# Allegro board 6089-119-RevA_41.brd (continued)
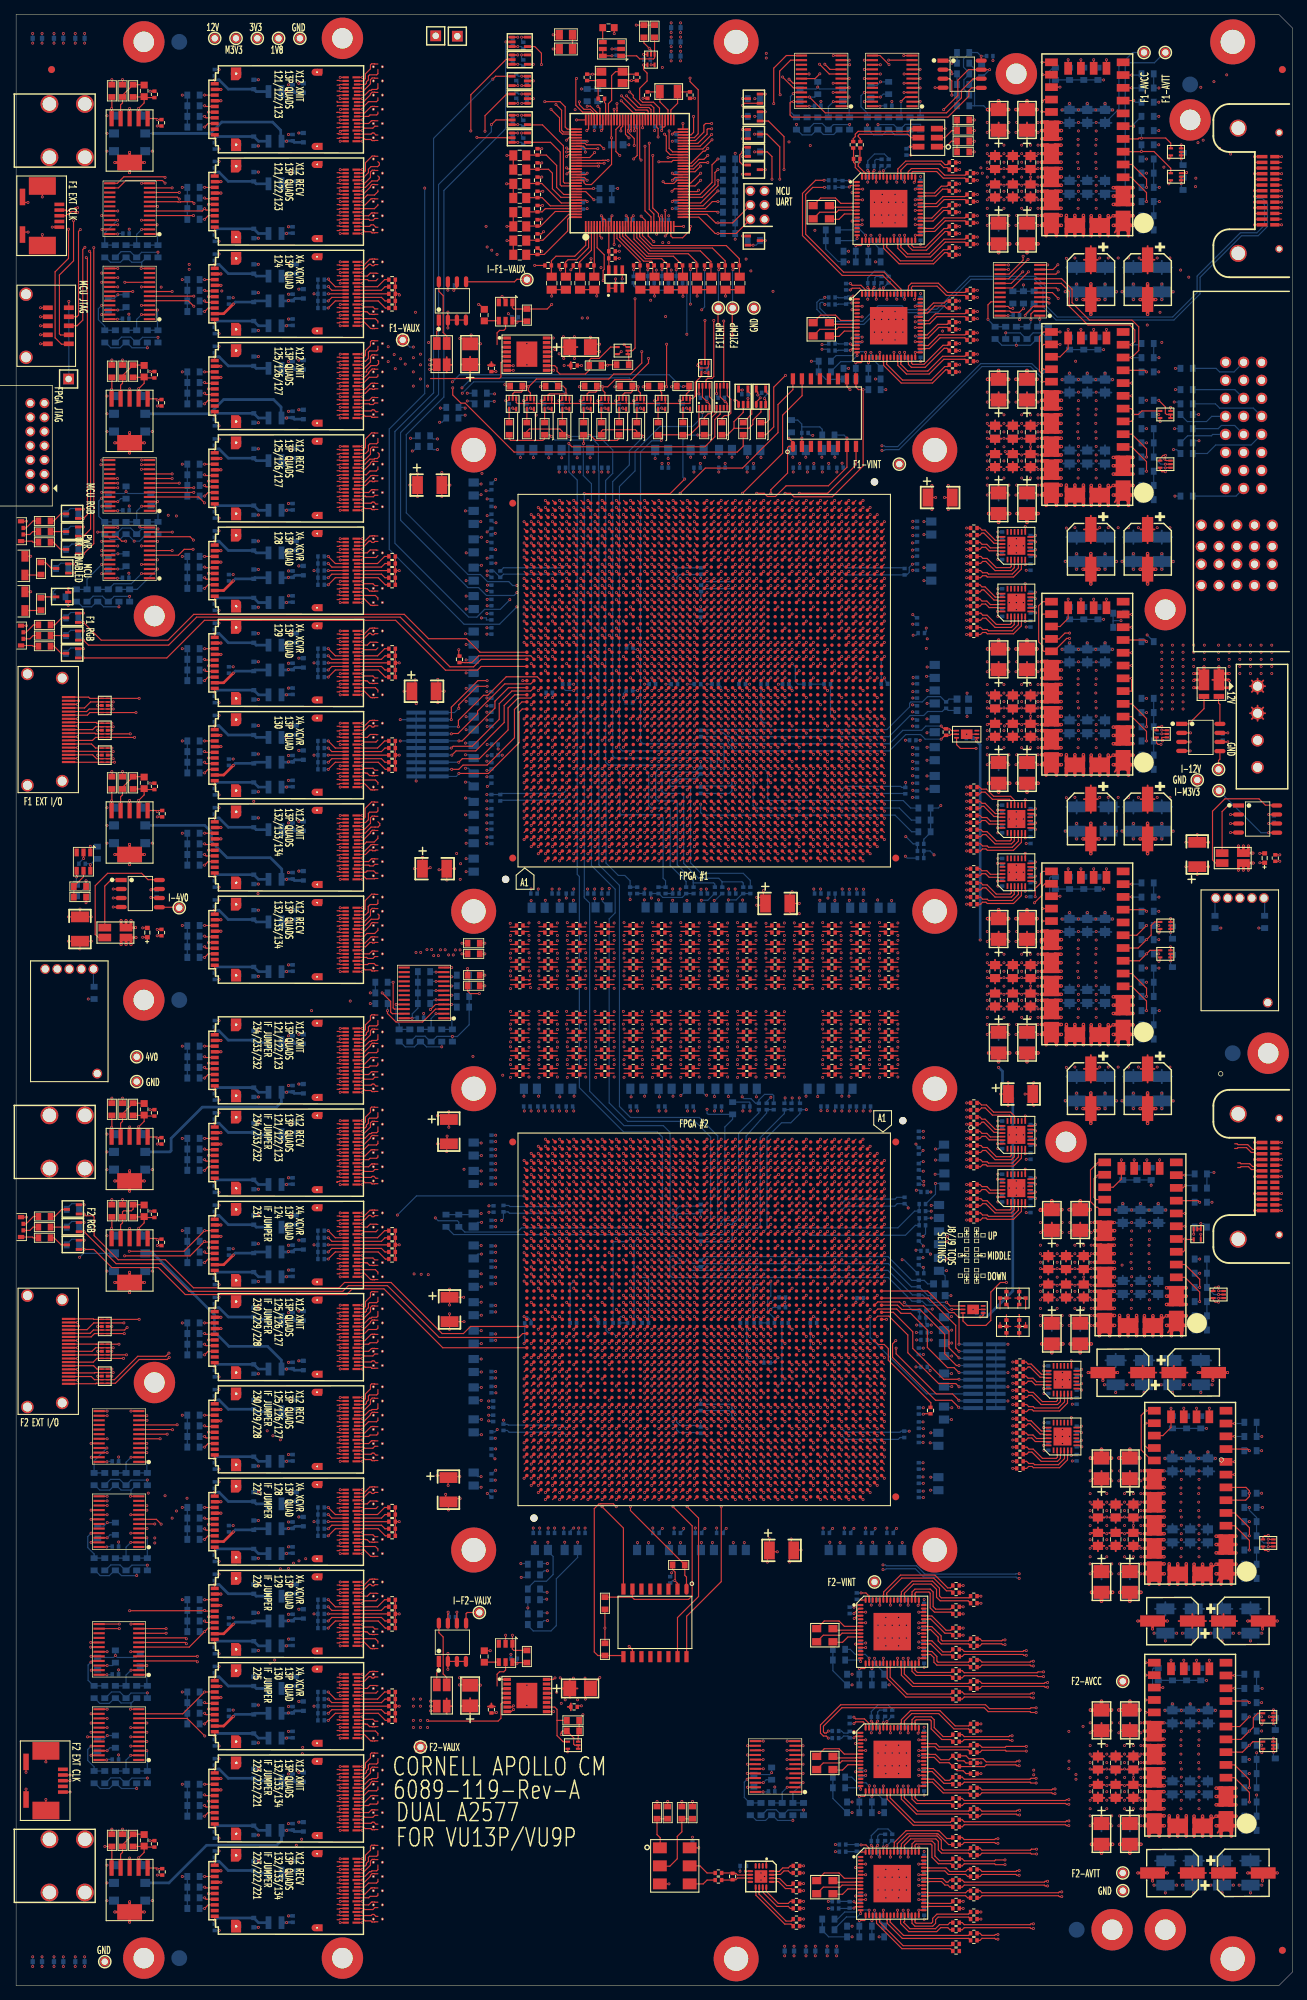
[diagram p0: board, top side]
## Nets (continued)
U77.A7 U77.A9 U77.A13 U77.A16 U77.A17 U77.A18 U77.A21 U77.A26 U77.A31 U77.A34 U77.A35 U77.A36 U77.A39 U77.A43 U77.A45 U77.A48 U77.AA3 U77.AA4 U77.AA5 U77.AA9 U77.AA12 U77.AA14 U77.AA16 U77.AA18 U77.AA20 U77.AA22 U77.AA24 U77.AA26 U77.AA28 U77.AA30 U77.AA32 U77.AA34 U77.AA36 U77.AA38 U77.AA40 U77.AA43 U77.AA47 U77.AA48 U77.AA49 U77.AB1 U77.AB2 U77.AB5 U77.AB7 U77.AB10 U77.AB15 U77.AB17 U77.AB19 U77.AB21 U77.AB23 U77.AB25 U77.AB27 U77.AB29 U77.AB31 U77.AB33 U77.AB35 U77.AB37 U77.AB38 U77.AB42 U77.AB45 U77.AB47 U77.AB50 U77.AB51 U77.AC3 U77.AC4 U77.AC5 U77.AC8 U77.AC14 U77.AC16 U77.AC18 U77.AC20 U77.AC22 U77.AC24 U77.AC26 U77.AC28 U77.AC30 U77.AC32 U77.AC34 U77.AC36 U77.AC38 U77.AC39 U77.AC44 U77.AC47 U77.AC48 U77.AC49 U77.AD1 U77.AD2 U77.AD5 U77.AD6 U77.AD11 U77.AD12 U77.AD15 U77.AD17 U77.AD19 U77.AD21 U77.AD23 U77.AD25 U77.AD27 U77.AD29 U77.AD31 U77.AD33 U77.AD35 U77.AD37 U77.AD39 U77.AD40 U77.AD41 U77.AD46 U77.AD47 U77.AD50 U77.AD51 U77.AE3 U77.AE4 U77.AE5 U77.AE9 U77.AE12 U77.AE16 U77.AE18 U77.AE20 U77.AE22 U77.AE24 U77.AE26 U77.AE28 U77.AE30 U77.AE32 U77.AE34 U77.AE36 U77.AE38 U77.AE40 U77.AE43 U77.AE47 U77.AE48 U77.AE49 U77.AF1 U77.AF2 U77.AF5 U77.AF7 U77.AF10 U77.AF12 U77.AF15 U77.AF17 U77.AF19 U77.AF21 U77.AF23 U77.AF25 U77.AF27 U77.AF29 U77.AF31 U77.AF33 U77.AF35 U77.AF37 U77.AF39 U77.AF40 U77.AF42 U77.AF45 U77.AF47 U77.AF50 U77.AF51 U77.AG3 U77.AG4 U77.AG5 U77.AG8 U77.AG12 U77.AG16 U77.AG20 U77.AG22 U77.AG24 U77.AG26 U77.AG28 U77.AG30 U77.AG32 U77.AG34 U77.AG36 U77.AG38 U77.AG40 U77.AG44 U77.AG47 U77.AG48 U77.AG49 U77.AH1 U77.AH2 U77.AH5 U77.AH6 U77.AH11 U77.AH12 U77.AH15 U77.AH17 U77.AH21 U77.AH23 U77.AH25 U77.AH27 U77.AH29 U77.AH31 U77.AH33 U77.AH35 U77.AH37 U77.AH39 U77.AH40 U77.AH41 U77.AH46 U77.AH47 U77.AH50 U77.AH51 U77.AJ3 U77.AJ4 U77.AJ5 U77.AJ9 U77.AJ14 U77.AJ16 U77.AJ20 U77.AJ22 U77.AJ24 U77.AJ26 U77.AJ28 U77.AJ30 U77.AJ32 U77.AJ34 U77.AJ36 U77.AJ38 U77.AJ39 U77.AJ43 U77.AJ47 U77.AJ48 U77.AJ49 U77.AK1 U77.AK2 U77.AK5 U77.AK7 U77.AK10 U77.AK15 U77.AK17 U77.AK21 U77.AK23 U77.AK25 U77.AK27 U77.AK29 U77.AK31 U77.AK33 U77.AK35 U77.AK37 U77.AK38 U77.AK42 U77.AK45 U77.AK47 U77.AK50 U77.AK51 U77.AL3 U77.AL4 U77.AL5 U77.AL8 U77.AL12 U77.AL14 U77.AL16 U77.AL18 U77.AL20 U77.AL22 U77.AL24 U77.AL26 U77.AL28 U77.AL30 U77.AL32 U77.AL34 U77.AL36 U77.AL38 U77.AL40 U77.AL44 U77.AL47 U77.AL48 U77.AL49 U77.AM1 U77.AM2 U77.AM5 U77.AM6 U77.AM11 U77.AM15 U77.AM17 U77.AM19 U77.AM21 U77.AM23 U77.AM25 U77.AM27 U77.AM29 U77.AM31 U77.AM33 U77.AM35 U77.AM37 U77.AM38 U77.AM41 U77.AM46 U77.AM47 U77.AM50 U77.AM51 U77.AN3 U77.AN4 U77.AN5 U77.AN9 U77.AN12 U77.AN14 U77.AN16 U77.AN18 U77.AN20 U77.AN22 U77.AN24 U77.AN26 U77.AN28 U77.AN30 U77.AN32 U77.AN34 U77.AN36 U77.AN38 U77.AN40 U77.AN43 U77.AN47 U77.AN48 U77.AN49 U77.AP1 U77.AP2 U77.AP5 U77.AP7 U77.AP10 U77.AP15 U77.AP17 U77.AP19 U77.AP21 U77.AP23 U77.AP25 U77.AP27 U77.AP29 U77.AP31 U77.AP33 U77.AP35 U77.AP37 U77.AP38 U77.AP42 U77.AP45 U77.AP47 U77.AP50 U77.AP51 U77.AR3 U77.AR4 U77.AR5 U77.AR8 U77.AR12 U77.AR14 U77.AR22 U77.AR24 U77.AR26 U77.AR28 U77.AR30 U77.AR38 U77.AR40 U77.AR44 U77.AR47 U77.AR48 U77.AR49 U77.AT1 U77.AT2 U77.AT5 U77.AT6 U77.AT11 U77.AT21 U77.AT23 U77.AT25 U77.AT27 U77.AT29 U77.AT31 U77.AT38 U77.AT41 U77.AT46 U77.AT47 U77.AT50 U77.AT51 U77.AU3 U77.AU4 U77.AU5 U77.AU9 U77.AU13 U77.AU14 U77.AU18 U77.AU24 U77.AU26 U77.AU28 U77.AU30 U77.AU38 U77.AU39 U77.AU43 U77.AU47 U77.AU48 U77.AU49 U77.AV1 U77.AV2 U77.AV5 U77.AV7 U77.AV10 U77.AV15 U77.AV25 U77.AV35 U77.AV38 U77.AV42 U77.AV45 U77.AV47 U77.AV50 U77.AV51 U77.AW3 U77.AW4 U77.AW5 U77.AW8 U77.AW12 U77.AW14 U77.AW22 U77.AW32 U77.AW38 U77.AW40 U77.AW44 U77.AW47 U77.AW48 U77.AW49 U77.AY1 U77.AY2 U77.AY5 U77.AY6 U77.AY11 U77.AY19 U77.AY29 U77.AY38 U77.AY41 U77.AY46 U77.AY47 U77.AY50 U77.AY51 U77.B3 U77.B4 U77.B5 U77.B6 U77.B7 U77.B10 U77.B14 U77.B16 U77.B19 U77.B20 U77.B21 U77.B23 U77.B31 U77.B32 U77.B33 U77.B36 U77.B38 U77.B42 U77.B45 U77.B46 U77.B47 U77.B48 U77.B49 U77.BA3 U77.BA4 U77.BA5 U77.BA9 U77.BA12 U77.BA14 U77.BA16 U77.BA26 U77.BA36 U77.BA38 U77.BA40 U77.BA43 U77.BA47 U77.BA48 U77.BA49 U77.BB1 U77.BB2 U77.BB5 U77.BB7 U77.BB10 U77.BB14 U77.BB23 U77.BB33 U77.BB38 U77.BB42 U77.BB45 U77.BB47 U77.BB50 U77.BB51 U77.BC3 U77.BC4 U77.BC5 U77.BC8 U77.BC12 U77.BC14 U77.BC20 U77.BC30 U77.BC38 U77.BC40 U77.BC44 U77.BC47 U77.BC48 U77.BC49 U77.BD1 U77.BD2 U77.BD5 U77.BD6 U77.BD11 U77.BD14 U77.BD27 U77.BD38 U77.BD41 U77.BD46 U77.BD47 U77.BD50 U77.BD51 U77.BE3 U77.BE4 U77.BE5 U77.BE9 U77.BE12 U77.BE14 U77.BE15 U77.BE16 U77.BE17 U77.BE18 U77.BE19 U77.BE24 U77.BE33 U77.BE34 U77.BE35 U77.BE36 U77.BE37 U77.BE38 U77.BE40 U77.BE43 U77.BE47 U77.BE48 U77.BE49 U77.BF1 U77.BF2 U77.BF5 U77.BF6 U77.BF7 U77.BF10 U77.BF16 U77.BF19 U77.BF20 U77.BF21 U77.BF31 U77.BF32 U77.BF33 U77.BF36 U77.BF42 U77.BF45 U77.BF46 U77.BF47 U77.BF50 U77.BF51 U77.BG3 U77.BG4 U77.BG7 U77.BG8 U77.BG12 U77.BG16 U77.BG17 U77.BG18 U77.BG21 U77.BG28 U77.BG31 U77.BG34 U77.BG35 U77.BG36 U77.BG40 U77.BG44 U77.BG45 U77.BG48 U77.BG49 U77.BH1 U77.BH2 U77.BH5 U77.BH6 U77.BH7 U77.BH11 U77.BH15 U77.BH16 U77.BH19 U77.BH20 U77.BH21 U77.BH25 U77.BH31 U77.BH32 U77.BH33 U77.BH36 U77.BH37 U77.BH41 U77.BH45 U77.BH46 U77.BH47 U77.BH50 U77.BH51 U77.BJ2 U77.BJ3 U77.BJ4 U77.BJ7 U77.BJ9 U77.BJ13 U77.BJ16 U77.BJ17 U77.BJ18 U77.BJ21 U77.BJ22 U77.BJ31 U77.BJ34 U77.BJ35 U77.BJ36 U77.BJ39 U77.BJ43 U77.BJ45 U77.BJ48 U77.BJ49 U77.BJ50 U77.BK3 U77.BK4 U77.BK5 U77.BK6 U77.BK7 U77.BK10 U77.BK14 U77.BK16 U77.BK19 U77.BK20 U77.BK21 U77.BK29 U77.BK31 U77.BK32 U77.BK33 U77.BK36 U77.BK38 U77.BK42 U77.BK45 U77.BK46 U77.BK47 U77.BK48 U77.BK49 U77.BL4 U77.BL7 U77.BL8 U77.BL12 U77.BL16 U77.BL17 U77.BL18 U77.BL21 U77.BL26 U77.BL31 U77.BL34 U77.BL35 U77.BL36 U77.BL40 U77.BL44 U77.BL45 U77.BL48 U77.C2 U77.C3 U77.C4 U77.C7 U77.C8 U77.C12 U77.C16 U77.C17 U77.C18 U77.C21 U77.C31 U77.C34 U77.C35 U77.C36 U77.C40 U77.C44 U77.C45 U77.C48 U77.C49 U77.C50 U77.D1 U77.D2 U77.D5 U77.D6 U77.D7 U77.D11 U77.D15 U77.D16 U77.D19 U77.D20 U77.D21 U77.D27 U77.D31 U77.D32 U77.D33 U77.D36 U77.D37 U77.D41 U77.D45 U77.D46 U77.D47 U77.D50 U77.D51 U77.E3 U77.E4 U77.E7 U77.E9 U77.E12 U77.E16 U77.E17 U77.E18 U77.E21 U77.E24 U77.E31 U77.E34 U77.E35 U77.E36 U77.E39 U77.E43 U77.E45 U77.E48 U77.E49 U77.F1 U77.F2 U77.F5 U77.F6 U77.F7 U77.F10 U77.F14 U77.F16 U77.F19 U77.F20 U77.F21 U77.F31 U77.F32 U77.F33 U77.F36 U77.F38 U77.F42 U77.F45 U77.F46 U77.F47 U77.F50 U77.F51 U77.G3 U77.G4 U77.G5 U77.G8 U77.G12 U77.G16 U77.G18 U77.G21 U77.G28 U77.G31 U77.G34 U77.G36 U77.G40 U77.G44 U77.G47 U77.G48 U77.G49 U77.H1 U77.H2 U77.H5 U77.H6 U77.H11 U77.H14 U77.H15 U77.H16 U77.H17 U77.H18 U77.H19 U77.H20 U77.H21 U77.H25 U77.H31 U77.H32 U77.H33 U77.H34 U77.H35 U77.H36 U77.H37 U77.H38 U77.H41 U77.H46 U77.H47 U77.H50 U77.H51 U77.J3 U77.J4 U77.J5 U77.J9 U77.J12 U77.J14 U77.J22 U77.J38 U77.J40 U77.J43 U77.J47 U77.J48 U77.J49 U77.K1 U77.K2 U77.K5 U77.K7 U77.K10 U77.K14 U77.K19 U77.K29 U77.K38 U77.K42 U77.K45 U77.K47 U77.K50 U77.K51 U77.L3 U77.L4 U77.L5 U77.L8 U77.L12 U77.L14 U77.L16 U77.L26 U77.L36 U77.L38 U77.L40 U77.L44 U77.L47 U77.L48 U77.L49 U77.M1 U77.M2 U77.M5 U77.M6 U77.M11 U77.M23 U77.M33 U77.M38 U77.M41 U77.M46 U77.M47 U77.M50 U77.M51 U77.N3 U77.N4 U77.N5 U77.N9 U77.N13 U77.N14 U77.N20 U77.N30 U77.N38 U77.N39 U77.N43 U77.N47 U77.N48 U77.N49 U77.P1 U77.P2 U77.P5 U77.P7 U77.P10 U77.P17 U77.P27 U77.P37 U77.P38 U77.P42 U77.P45 U77.P47 U77.P50 U77.P51 U77.R3 U77.R4 U77.R5 U77.R8 U77.R12 U77.R14 U77.R24 U77.R34 U77.R38 U77.R40 U77.R44 U77.R47 U77.R48 U77.R49 U77.T1 U77.T2 U77.T5 U77.T6 U77.T11 U77.T21 U77.T38 U77.T41 U77.T46 U77.T47 U77.T50 U77.T51 U77.U3 U77.U4 U77.U5 U77.U9 U77.U13 U77.U14 U77.U18 U77.U28 U77.U30 U77.U38 U77.U39 U77.U43 U77.U47 U77.U48 U77.U49 U77.V1 U77.V2 U77.V5 U77.V7 U77.V10 U77.V23 U77.V25 U77.V27 U77.V29 U77.V31 U77.V38 U77.V42 U77.V45 U77.V47 U77.V50 U77.V51 U77.W3 U77.W4 U77.W5 U77.W8 U77.W12 U77.W14 U77.W18 U77.W20 U77.W22 U77.W24 U77.W26 U77.W28 U77.W30 U77.W34 U77.W36 U77.W38 U77.W40 U77.W44 U77.W47 U77.W48 U77.W49 U77.Y1 U77.Y2 U77.Y5 U77.Y11 U77.Y15 U77.Y17 U77.Y19 U77.Y21 U77.Y23 U77.Y25 U77.Y27 U77.Y29 U77.Y31 U77.Y33 U77.Y35 U77.Y37 U77.Y38 U77.Y41 U77.Y46 U77.Y47 U77.Y50 U77.Y51 U78.1 U78.3 U79.4 U79.7 U80.3 U81.3 U82.1 U82.17 U83.12 U84.12 U85.10 U86.65 U87.65 U88.12 U89.65 U90.65 U91.65 U92.3 U93.4 U94.5 U94.7 U95.5 U95.7 U96.25 U97.25 U98.25 U99.25 U100.25 U101.25 U102.12 U103.25 U104.25 U105.2 U105.13 U105.24 U105.27 U106.2 U106.13 U106.24 U106.27 U107.2 U107.13 U107.24 U107.27 U108.2 U108.13 U108.24 U108.27 U109.2 U109.13 U109.24 U109.27 U110.3 U111.3 U112.3 U113.3 U114.3 U115.3 U116.3 U117.2 U117.13 U117.24 U117.27 U118.2 U118.13 U118.24 U118.27 U119.3 U120.2 U120.3 U120.4 U120.7 U121.3 U122.3 U123.2 U123.3 U123.4 U123.7 U124.3 U125.3 U126.3 VA1.3 VA1.4(G2) VA2.3 VA2.4(G2) VA3.3 VA3.4(G2) VA4.3 VA4.4(G2) VA5.3 VA5.4(G2) VA6.3 VA6.4(G2) VA7.3 VA7.4(G2) VA8.3 VA8.4(G2) VA9.3 VA9.4(G2) VA10.3 VA10.4(G2) VA11.3 VA11.4(G2) VA12.3 VA12.4(G2) VA13.3 VA13.4(G2) VA14.3 VA14.4(G2) VA15.3 VA15.4(G2) VA16.3 VA16.4(G2) VA17.3 VA17.4(G2) VA18.3 VA18.4(G2) VA19.3 VA19.4(G2) VA20.3 VA20.4(G2) VA21.3 VA21.4(G2) VA22.3 VA22.4(G2) VA23.3 VA23.4(G2) VA24.3 VA24.4(G2) VA25.3 VA25.4(G2) VA26.3 VA26.4(G2) VA27.3 VA27.4(G2) VA28.3 VA28.4(G2) VA29.3 VA29.4(G2) VA30.3 VA30.4(G2) VA31.3 VA31.4(G2) VA32.3 VA32.4(G2) VA33.3 VA33.4(G2) VA34.3 VA34.4(G2) VA35.3 VA35.4(G2) VA36.3 VA36.4(G2) VA37.3 VA37.4(G2) VA38.3 VA38.4(G2) VA39.3 VA39.4(G2) VA40.3 VA40.4(G2) VA41.3 VA41.4(G2) VA42.3 VA42.4(G2) VA43.3 VA43.4(G2) VA44.3 VA44.4(G2) VA45.3 VA45.4(G2) VA46.3 VA46.4(G2) VA47.3 VA47.4(G2) VA48.3 VA48.4(G2) VA49.3 VA49.4(G2) VA50.3 VA50.4(G2) VA51.3 VA51.4(G2) VA52.3 VA52.4(G2) VA53.3 VA53.4(G2) VA54.3 VA54.4(G2) VA55.3 VA55.4(G2) VA56.3 VA56.4(G2) VA57.3 VA57.4(G2) VA58.3 VA58.4(G2) VA59.3 VA59.4(G2) VA60.3 VA60.4(G2) VA61.3 VA61.4(G2) VA62.3 VA62.4(G2) VA63.3 VA63.4(G2) VA64.3 VA64.4(G2) VA65.3 VA65.4(G2) VA66.3 VA66.4(G2) VA67.3 VA67.4(G2) VA68.3 VA68.4(G2) VA69.3 VA69.4(G2) VA70.3 VA70.4(G2) VA71.3 VA71.4(G2) VA72.3 VA72.4(G2) VA73.3 VA73.4(G2) VA74.3 VA74.4(G2) VA75.3 VA75.4(G2) VA76.3 VA76.4(G2) VA77.3 VA77.4(G2) VA78.3 VA78.4(G2) VA79.3 VA79.4(G2) VA80.3 VA80.4(G2) VA81.3 VA81.4(G2) VA82.3 VA82.4(G2) VA83.3 VA83.4(G2) VA84.3 VA84.4(G2) VA85.3 VA85.4(G2) VA86.3 VA86.4(G2) VA87.3 VA87.4(G2) VA88.3 VA88.4(G2) VA89.3 VA89.4(G2) VA90.3 VA90.4(G2) VA91.3 VA91.4(G2) VA92.3 VA92.4(G2) VA93.3 VA93.4(G2) VA94.3 VA94.4(G2) VA95.3 VA95.4(G2) VA96.3 VA96.4(G2) VA97.3 VA97.4(G2) VA98.3 VA98.4(G2) VA99.3 VA99.4(G2) VA100.3 VA100.4(G2) VA101.3 VA101.4(G2) VA102.3 VA102.4(G2) VA103.3 VA103.4(G2) VA104.3 VA104.4(G2) X1.2 X1.4
/F1_CFG_DONE: Q13.3(S) R402.2 U68.62
/F1_FF1_RECV_INT: R543.1 U15.5 U25A.5
/F1_FF1_RECV_PRESENT: R542.1 U15.14 U25A.3
/F1_FF1_XMIT_INT: R539.1 U15.4 U24A.5
/F1_FF1_XMIT_PRESENT: R538.1 U15.13 U24A.3
/F1_FF2_RECV_INT: R555.1 U15.7 U28A.5
/F1_FF2_RECV_PRESENT: R554.1 U15.16 U28A.3
/F1_FF2_XMIT_INT: R551.1 U15.6 U27A.5
/F1_FF2_XMIT_PRESENT: R550.1 U15.15 U27A.3
/F1_FF3_RECV_INT: R575.1 U15.9 U33A.5
/F1_FF3_RECV_PRESENT: R574.1 U15.18 U33A.3
/F1_FF3_XMIT_INT: R571.1 U15.8 U32A.5
/F1_FF3_XMIT_PRESENT: R570.1 U15.17 U32A.3
/F1_FF4_XCVR_INT: R547.1 U18.4 U26A.5
/F1_FF4_XCVR_PRESENT: R546.1 U18.8 U26A.3
/F1_FF5_XCVR_INT: R559.1 U18.5 U29A.5
/F1_FF5_XCVR_PRESENT: R558.1 U18.9 U29A.3
/F1_FF6_XCVR_INT: R563.1 U18.6 U30A.5
/F1_FF6_XCVR_PRESENT: R562.1 U18.10 U30A.3
/F1_FF7_XCVR_INT: R567.1 U18.7 U31A.5
/F1_FF7_XCVR_PRESENT: R566.1 U18.11 U31A.3
/F1_FF_RESET: U18.13 U24A.6 U25A.6 U26A.6 U27A.6 U28A.6 U29A.6 U30A.6 U31A.6 U32A.6 U33A.6
/F1_INSTALLED: R454.1 U68.118 U75.Y6
/F1_JTAG_BYPASS: U68.109 U76.6
/F2_CFG_DONE: Q12.3(S) R401.2 U68.71
/F2_FF1_RECV_INT: R583.1 U10.5 U35A.5
/F2_FF1_RECV_PRESENT: R582.1 U10.14 U35A.3
/F2_FF1_XMIT_INT: R579.1 U10.4 U34A.5
/F2_FF1_XMIT_PRESENT: R578.1 U10.13 U34A.3
/F2_FF2_RECV_INT: R595.1 U10.7 U38A.5
/F2_FF2_RECV_PRESENT: R594.1 U10.16 U38A.3
/F2_FF2_XMIT_INT: R591.1 U10.6 U37A.5
/F2_FF2_XMIT_PRESENT: R590.1 U10.15 U37A.3
/F2_FF3_RECV_INT: R615.1 U10.9 U43A.5
/F2_FF3_RECV_PRESENT: R614.1 U10.18 U43A.3
/F2_FF3_XMIT_INT: R611.1 U10.8 U42A.5
/F2_FF3_XMIT_PRESENT: R610.1 U10.17 U42A.3
/F2_FF4_XCVR_INT: R587.1 U12.4 U36A.5
/F2_FF4_XCVR_PRESENT: R586.1 U12.8 U36A.3
/F2_FF5_XCVR_INT: R599.1 U12.5 U39A.5
/F2_FF5_XCVR_PRESENT: R598.1 U12.9 U39A.3
/F2_FF6_XCVR_INT: R603.1 U12.6 U40A.5
/F2_FF6_XCVR_PRESENT: R602.1 U12.10 U40A.3
/F2_FF7_XCVR_INT: R607.1 U12.7 U41A.5
/F2_FF7_XCVR_PRESENT: R606.1 U12.11 U41A.3
/F2_FF_RESET: U12.13 U34A.6 U35A.6 U36A.6 U37A.6 U38A.6 U39A.6 U40A.6 U41A.6 U42A.6 U43A.6
/F2_INSTALLED: R455.1 U68.119 U77.Y6
/F2_JTAG_BYPASS: U68.110 U79.6
/I2C_RESET_CLOCKS: R357.1 U68.6 U84.3
/I2C_RESET_F1_OPTICS: R621.1 U14.3 U17.3 U68.27
/I2C_RESET_F2_OPTICS: R629.1 U9.3 U11.3 U68.11
/I2C_RESET_FPGAS: R497.1 U44.3 U68.29
/I2C_RESET_PWR: R269.1 U68.5 U102.3
/SYN_R0A_INT: U86.12 U88.8
/SYN_R0A_RESET: U86.6 U88.11
/SYN_R0B_INT: U87.12 U88.9
/SYN_R0B_RESET: U87.6 U88.13
/SYN_R1A_INT: U83.8 U91.12
/SYN_R1A_RESET: U83.11 U91.6
/SYN_R1B_INT: U83.9 U90.12
/SYN_R1B_RESET: U83.13 U90.6
/SYN_R1C_INT: U83.10 U89.12
/SYN_R1C_RESET: U83.14 U89.6
AC_NF1_TCDS40_CLK: C430.2 U75.AR16
AC_NF1_TCDS_RECOV_CLK: C842.2 R352.2 U90.2
AC_NF1_XTAL_200: C229.2 U75.AU16
AC_NF1L_R0_AB: C440.2 U75.BD40
AC_NF1L_R0_AD: C371.2 U75.AY40
AC_NF1L_R0_AF: C373.2 U75.AT40
AC_NF1L_R0_R: C369.2 U75.AM40
AC_NF1L_R0_U: C375.2 U75.AA42
AC_NF1L_R0_V: C377.2 U75.W42
AC_NF1L_R0_Y: C367.2 U75.N42
AC_NF1L_R1_AB: C336.2 U75.BC42
AC_NF1L_R1_AD: C334.2 U75.AW42
AC_NF1L_R1_AF: C436.2 U75.AR42
AC_NF1L_R1_R: C428.2 U75.AL42
AC_NF1L_R1_U: C342.2 U75.Y40
AC_NF1L_R1_Y: C332.2 U75.M40
AC_NF1L_X4_R0_CLK: C379.2 U75.M32
AC_NF1L_X4_R0A: C354.2 R273.1 U97.8
AC_NF1L_X4_R0B: C310.2 R272.1 U97.12
AC_NF1L_X12_R0_CLK: C365.2 U75.P34
AC_NF1L_X12_R0A: C304.2 R271.1 U96.8
AC_NF1L_X12_R0B: C360.2 R270.1 U96.12
AC_NF1R_R0_B: C395.2 U75.AM12
AC_NF1R_R0_E: C387.2 U75.AA10
AC_NF1R_R0_F: C385.2 U75.W10
AC_NF1R_R0_G: C393.2 U75.U10
AC_NF1R_R0_I: C383.2 U75.N10
AC_NF1R_R0_L: C233.2 U75.BD12
AC_NF1R_R0_N: C389.2 U75.AY12
AC_NF1R_R1_B: C320.2 U75.AL10
AC_NF1R_R1_E: C318.2 U75.Y12
AC_NF1R_R1_G: C414.2 U75.T12
AC_NF1R_R1_I: C316.2 U75.M12
AC_NF1R_R1_L: C432.2 U75.BC10
AC_NF1R_R1_N: C326.2 U75.AW10
AC_NF1R_X4_R0_CLK: C391.2 U75.N18
AC_NF1R_X4_R0A: C302.2 R277.1 U99.8
AC_NF1R_X4_R0B: C312.2 R276.1 U99.12
AC_NF1R_X12_R0_CLK: C381.2 U75.R17
AC_NF1R_X12_R0A: C356.2 R275.1 U98.8
AC_NF1R_X12_R0B: C362.2 R274.1 U98.12
AC_NF2_TCDS40_CLK: C330.2 U77.AR16
AC_NF2_XTAL_200: C235.2 U77.AU16
AC_NF2L_R0_AB: C346.2 U77.BD40
AC_NF2L_R0_AD: C467.2 U77.AY40
AC_NF2L_R0_AF: C479.2 U77.AT40
AC_NF2L_R0_R: C469.2 U77.AM40
AC_NF2L_R0_U: C477.2 U77.AA42
AC_NF2L_R0_V: C475.2 U77.W42
AC_NF2L_R0_Y: C471.2 U77.N42
AC_NF2L_R1_AD: C424.2 U77.AW42
AC_NF2L_R1_AF: C434.2 U77.AR42
AC_NF2L_R1_R: C328.2 U77.AL42
AC_NF2L_R1_U: C340.2 U77.Y40
AC_NF2L_R1_Y: C422.2 U77.M40
AC_NF2L_X4_R0_CLK: C473.2 U77.M32
AC_NF2L_X4_R0A: C350.2 R260.1 U104.8
AC_NF2L_X4_R0B: C358.2 R259.1 U104.12
AC_NF2L_X12_R0_CLK: C465.2 U77.P34
AC_NF2L_X12_R0A: C300.2 R258.1 U103.8
AC_NF2L_X12_R0B: C308.2 R257.1 U103.12
AC_NF2R_R0_B: C407.2 U77.AM12
AC_NF2R_R0_E: C399.2 U77.AA10
AC_NF2R_R0_F: C401.2 U77.W10
AC_NF2R_R0_I: C403.2 U77.N10
AC_NF2R_R0_L: C231.2 U77.BD12
AC_NF2R_R0_N: C397.2 U77.AY12
AC_NF2R_R0_P: C409.2 U77.AT12
AC_NF2R_R1_B: C418.2 U77.AL10
AC_NF2R_R1_E: C324.2 U77.Y12
AC_NF2R_R1_I: C420.2 U77.M12
AC_NF2R_R1_L: C338.2 U77.BC10
AC_NF2R_R1_N: C416.2 U77.AW10
AC_NF2R_R1_P: C322.2 U77.AR10
AC_NF2R_X4_R0_CLK: C411.2 U77.N18
AC_NF2R_X4_R0A: C352.2 R281.1 U101.8
AC_NF2R_X4_R0B: C314.2 R280.1 U101.12
AC_NF2R_X12_R0_CLK: C405.2 U77.R17
AC_NF2R_X12_R0A: C306.2 R279.1 U100.8
AC_NF2R_X12_R0B: C364.2 R278.1 U100.12
AC_NHQ_CLK_IN: C838.2 R338.2 U91.64
AC_NLHC_CLK_IN: C849.2 R355.2 U87.2
AC_NNO_F2_TCDS40_CLK: C426.2 R350.2 U89.2
AC_NR0_FP_CLK: C851.2 R356.2 U87.15
AC_NR0_OSC: C262.2 R139.1 U86.63
AC_NR0A_FB: C806.2 R333.2 U86.62
AC_NR0B_FB: C807.2 R334.2 U87.62
AC_NR1_FP_CLK: C844.2 R353.2 U91.15
AC_NR1A_FB: C803.2 R331.2 U91.62
AC_NR1B_FB: C802.2 R330.2 U90.62
AC_NSYN_R0A_INA: C847.2 R358.2 U86.2
AC_NSYN_R0B_IN0: C298.2 R354.2 U87.64
AC_NSYN_R1B_IN0: C438.2 R351.2 U90.64
AC_NSYN_R1C_IN0: C344.2 R337.2 U89.64
AC_NUTIL: C191.2 R135.1 U82.6
AC_PF1_TCDS40_CLK: C429.2 U75.AR17
AC_PF1_TCDS_RECOV_CLK: C841.2 R352.1 U90.1
AC_PF1_XTAL_200: C230.2 U75.AT17
AC_PF1L_R0_AB: C439.2 U75.BD39
AC_PF1L_R0_AD: C372.2 U75.AY39
AC_PF1L_R0_AF: C374.2 U75.AT39
AC_PF1L_R0_R: C370.2 U75.AM39
AC_PF1L_R0_U: C376.2 U75.AA41
AC_PF1L_R0_V: C378.2 U75.W41
AC_PF1L_R0_Y: C368.2 U75.N41
AC_PF1L_R1_AB: C335.2 U75.BC41
AC_PF1L_R1_AD: C333.2 U75.AW41
AC_PF1L_R1_AF: C435.2 U75.AR41
AC_PF1L_R1_R: C427.2 U75.AL41
AC_PF1L_R1_U: C341.2 U75.Y39
AC_PF1L_R1_Y: C331.2 U75.M39
AC_PF1L_X4_R0_CLK: C380.2 U75.N32
AC_PF1L_X4_R0A: C353.2 R273.2 U97.7
AC_PF1L_X4_R0B: C309.2 R272.2 U97.11
AC_PF1L_X12_R0_CLK: C366.2 U75.P33
AC_PF1L_X12_R0A: C303.2 R271.2 U96.7
AC_PF1L_X12_R0B: C359.2 R270.2 U96.11
AC_PF1R_R0_B: C396.2 U75.AM13
AC_PF1R_R0_E: C388.2 U75.AA11
AC_PF1R_R0_F: C386.2 U75.W11
AC_PF1R_R0_G: C394.2 U75.U11
AC_PF1R_R0_I: C384.2 U75.N11
AC_PF1R_R0_L: C234.2 U75.BD13
AC_PF1R_R0_N: C390.2 U75.AY13
AC_PF1R_R1_B: C319.2 U75.AL11
AC_PF1R_R1_E: C317.2 U75.Y13
AC_PF1R_R1_G: C413.2 U75.T13
AC_PF1R_R1_I: C315.2 U75.M13
AC_PF1R_R1_L: C431.2 U75.BC11
AC_PF1R_R1_N: C325.2 U75.AW11
AC_PF1R_X4_R0_CLK: C392.2 U75.N19
AC_PF1R_X4_R0A: C301.2 R277.2 U99.7
AC_PF1R_X4_R0B: C311.2 R276.2 U99.11
AC_PF1R_X12_R0_CLK: C382.2 U75.R18
AC_PF1R_X12_R0A: C355.2 R275.2 U98.7
AC_PF1R_X12_R0B: C361.2 R274.2 U98.11
AC_PF2_TCDS40_CLK: C329.2 U77.AR17
AC_PF2_XTAL_200: C236.2 U77.AT17
AC_PF2L_R0_AB: C345.2 U77.BD39
AC_PF2L_R0_AD: C468.2 U77.AY39
AC_PF2L_R0_AF: C480.2 U77.AT39
AC_PF2L_R0_R: C470.2 U77.AM39
AC_PF2L_R0_U: C478.2 U77.AA41
AC_PF2L_R0_V: C476.2 U77.W41
AC_PF2L_R0_Y: C472.2 U77.N41
AC_PF2L_R1_AD: C423.2 U77.AW41
AC_PF2L_R1_AF: C433.2 U77.AR41
AC_PF2L_R1_R: C327.2 U77.AL41
AC_PF2L_R1_U: C339.2 U77.Y39
AC_PF2L_R1_Y: C421.2 U77.M39
AC_PF2L_X4_R0_CLK: C474.2 U77.N32
AC_PF2L_X4_R0A: C349.2 R260.2 U104.7
AC_PF2L_X4_R0B: C357.2 R259.2 U104.11
AC_PF2L_X12_R0_CLK: C466.2 U77.P33
AC_PF2L_X12_R0A: C299.2 R258.2 U103.7
AC_PF2L_X12_R0B: C307.2 R257.2 U103.11
AC_PF2R_R0_B: C408.2 U77.AM13
AC_PF2R_R0_E: C400.2 U77.AA11
AC_PF2R_R0_F: C402.2 U77.W11
AC_PF2R_R0_I: C404.2 U77.N11
AC_PF2R_R0_L: C232.2 U77.BD13
AC_PF2R_R0_N: C398.2 U77.AY13
AC_PF2R_R0_P: C410.2 U77.AT13
AC_PF2R_R1_B: C417.2 U77.AL11
AC_PF2R_R1_E: C323.2 U77.Y13
AC_PF2R_R1_I: C419.2 U77.M13
AC_PF2R_R1_L: C337.2 U77.BC11
AC_PF2R_R1_N: C415.2 U77.AW11
AC_PF2R_R1_P: C321.2 U77.AR11
AC_PF2R_X4_R0_CLK: C412.2 U77.N19
AC_PF2R_X4_R0A: C351.2 R281.2 U101.7
AC_PF2R_X4_R0B: C313.2 R280.2 U101.11
AC_PF2R_X12_R0_CLK: C406.2 U77.R18
AC_PF2R_X12_R0A: C305.2 R279.2 U100.7
AC_PF2R_X12_R0B: C363.2 R278.2 U100.11
AC_PHQ_CLK_IN: C837.2 R338.1 U91.63
AC_PLHC_CLK_IN: C848.2 R355.1 U87.1
AC_PNO_F2_TCDS40_CLK: C425.2 R350.1 U89.1
AC_PR0_FP_CLK: C850.2 R356.1 U87.14
AC_PR0_OSC: C261.2 R139.2 U86.64
AC_PR0A_FB: C811.2 R333.1 U86.61
AC_PR0B_FB: C812.2 R334.1 U87.61
AC_PR1_FP_CLK: C843.2 R353.1 U91.14
AC_PR1A_FB: C810.2 R331.1 U91.61
AC_PR1B_FB: C809.2 R330.1 U90.61
AC_PSYN_R0A_IN1: C846.2 R358.1 U86.1
AC_PSYN_R0B_IN0: C297.2 R354.1 U87.63
AC_PSYN_R1B_IN0: C437.2 R351.1 U90.63
AC_PSYN_R1C_IN0: C343.2 R337.1 U89.63
AC_PUTIL: C192.2 R135.2 U82.7
BC_NF1_TCDS_RECOV_CLK: C842.1 U75.BK26
BC_NF1L_R0_1: C371.1 U96.4
BC_NF1L_R0_2: C369.1 U96.2
BC_NF1L_R0_3: C367.1 U96.22
BC_NF1L_R0_4: C365.1 U96.20
BC_NF1L_R0_5: C379.1 U97.4
BC_NF1L_R0_6: C377.1 U97.2
BC_NF1L_R0_7: C375.1 U97.22
BC_NF1L_R0_8: C373.1 U97.20
BC_NF1R_R0_1: C389.1 U98.4
BC_NF1R_R0_2: C387.1 U98.2
BC_NF1R_R0_3: C385.1 U98.22
BC_NF1R_R0_4: C383.1 U98.20
BC_NF1R_R0_5: C381.1 U98.16
BC_NF1R_R0_6: C395.1 U99.4
BC_NF1R_R0_7: C393.1 U99.2
BC_NF1R_R0_8: C391.1 U99.22
BC_NF2L_R0_1: C471.1 U103.4
BC_NF2L_R0_2: C469.1 U103.2
BC_NF2L_R0_3: C467.1 U103.22
BC_NF2L_R0_4: C465.1 U103.20
BC_NF2L_R0_5: C479.1 U104.4
BC_NF2L_R0_6: C477.1 U104.2
BC_NF2L_R0_7: C475.1 U104.22
BC_NF2L_R0_8: C473.1 U104.20
BC_NF2R_R0_1: C405.1 U100.4
BC_NF2R_R0_2: C403.1 U100.2
BC_NF2R_R0_3: C401.1 U100.22
BC_NF2R_R0_4: C399.1 U100.20
BC_NF2R_R0_5: C397.1 U100.16
BC_NF2R_R0_6: C411.1 U101.4
BC_NF2R_R0_7: C409.1 U101.2
BC_NF2R_R0_8: C407.1 U101.22
BC_NHQ_CLK_IN: C838.1 P2.17
BC_NLHC_CLK_IN: C849.1 P2.18
BC_NR0_FP_CLK: C851.1 J2.2
BC_NR0_OSC: C262.1 U92.5
BC_NR0A_0: C306.1 U86.23
BC_NR0A_1: C356.1 U86.27
BC_NR0A_2: C304.1 U86.30
BC_NR0A_3: C354.1 U86.34
BC_NR0A_4: C302.1 U86.37
BC_NR0A_5: C352.1 U86.41
BC_NR0A_6: C300.1 U86.44
BC_NR0A_7: C350.1 U86.50
BC_NR0A_8: C298.1 U86.53
BC_NR0A_FB: C806.1 U86.58
BC_NR0B_1: C314.1 U87.23
BC_NR0B_2: C364.1 U87.27
BC_NR0B_3: C312.1 U87.30
BC_NR0B_4: C362.1 U87.34
BC_NR0B_5: C310.1 U87.37
BC_NR0B_6: C360.1 U87.41
BC_NR0B_7: C308.1 U87.44
BC_NR0B_8: C358.1 U87.50
BC_NR0B_FB: C807.1 U87.58
BC_NR1_FP_CLK: C844.1 J3.2
BC_NR1A_0: C440.1 U91.23
BC_NR1A_1: C346.1 U91.27
BC_NR1A_2: C438.1 U91.30
BC_NR1A_3: C344.1 U91.34
BC_NR1A_4: C436.1 U91.37
BC_NR1A_5: C342.1 U91.41
BC_NR1A_6: C434.1 U91.44
BC_NR1A_7: C340.1 U91.50
BC_NR1A_8: C432.1 U91.53
BC_NR1A_9: C338.1 U91.55
BC_NR1A_10: C348.1 U91.20
BC_NR1A_FB: C803.1 U91.58
BC_NR1B_0: C336.1 U90.23
BC_NR1B_1: C430.1 U90.27
BC_NR1B_2: C334.1 U90.30
BC_NR1B_3: C428.1 U90.34
BC_NR1B_4: C332.1 U90.37
BC_NR1B_5: C330.1 C426.1 U90.41
BC_NR1B_6: C424.1 U90.44
BC_NR1B_7: C328.1 U90.50
BC_NR1B_8: C422.1 U90.53
BC_NR1B_FB: C802.1 U90.58
BC_NR1C_0: C326.1 U89.23
BC_NR1C_1: C420.1 U89.27
BC_NR1C_2: C324.1 U89.30
BC_NR1C_3: C418.1 U89.34
BC_NR1C_4: C322.1 U89.37
BC_NR1C_5: C416.1 U89.41
BC_NR1C_6: C320.1 U89.44
BC_NR1C_7: C318.1 U89.50
BC_NR1C_8: C414.1 U89.53
